# Altium PCB sumpower.PcbDoc (continued)
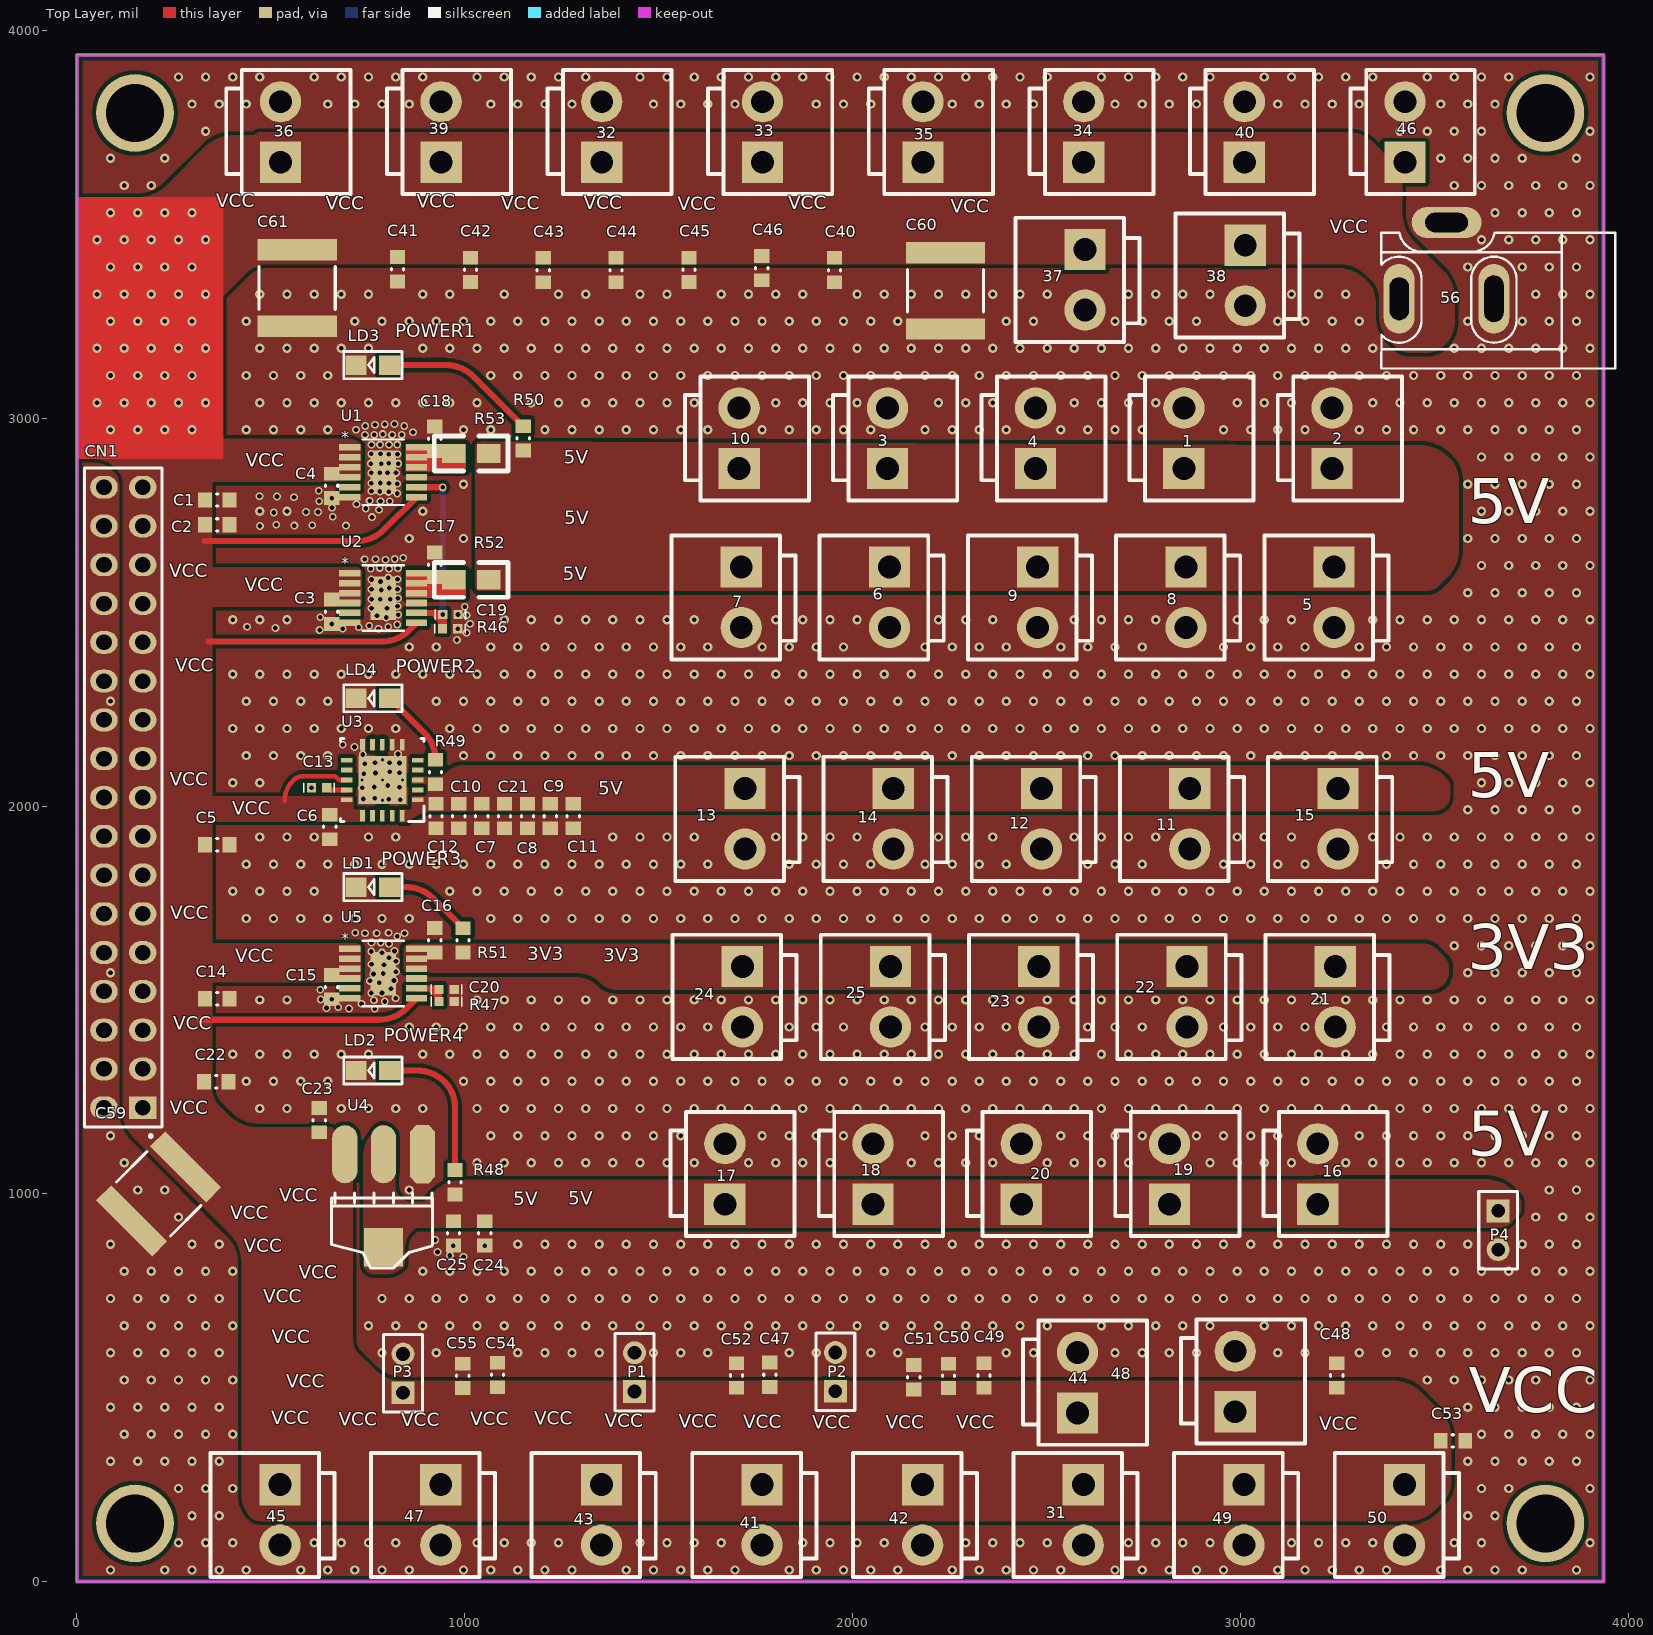
[diagram p0: Top Layer view]
## Nets (pads, with @x,y where several pads share a name; then routed paths per layer and width w, separated by ;. In a path a pad name is that pad's centre, name@x,y a point inside that pad or via, vN(x,y) a via of type N, cw(c..) or ccw(c..) an arc to the next point about the centre after c; other vN are vias at no path point)
3.3v: 21.1 22.1 23.1 24.1 25.1 C16.2 R51.1 U5.10 U5.11 U5.12
5v1: 1.1 2.1 3.1 4.1 5.1 6.1 7.1 8.1 9.1 10.1 R50.1 R52.1 R53.2
5v2: 11.1 12.1 13.1 14.1 15.1 C7.2 C8.2 C9.2 C10.2 C11.2 C12.2 C21.2 R49.1 U3.1 U3.3 U3.20
5v3: 16.1 17.1 18.1 19.1 20.1 C24.2 C25.2 P4.1 R48.1 U4.2 U4.4
GND: 1.2 2.2 3.2 4.2 5.2 6.2 7.2 8.2 9.2 10.2 11.2 12.2 13.2 14.2 15.2 16.2 17.2 18.2 19.2 20.2 21.2 22.2 23.2 24.2 25.2 31.2 32.2 33.2 34.2 35.2 36.2 37.2 38.2 39.2 40.2 41.2 42.2 43.2 44.2 45.2 46.2 47.2 48.2 49.2 50.2 56.2 56.3 C1.1 C2.1 C3.1 C4.1 C5.1 C6.1 C7.1 C8.1 C9.1 C10.1 C11.1 C12.1 C13.1 C14.1 C15.1 C16.1 C17.1 C18.1 C19.1 C20.1 C21.1 C22.1 C23.1 C24.1 C25.1 C40.2 C41.2 C42.2 C43.2 C44.2 C45.2 C46.2 C47.2 C48.2 C49.2 C50.2 C51.2 C52.2 C53.2 C54.2 C55.2 C59.2 C60.2 C61.2 CN1.2 CN1.4 CN1.6 CN1.8 CN1.10 CN1.12 CN1.14 CN1.16 CN1.18 CN1.20 CN1.22 CN1.24 CN1.26 CN1.28 CN1.30 CN1.32 CN1.34 LD1.2 LD2.2 LD3.2 LD4.2 P1.2 P2.2 P3.2 P4.2 R46.1 R47.1 U1.6 U1.9 U1.EPAD U2.6 U2.9 U2.EPAD U3.6 U3.7 U3.10 U3.21 U4.1 U5.6 U5.9 U5.EPAD
  other v1: 87.01,30 227.01,30 297.01,30 367.01,30 437.01,30 577.01,30 647.01,30 717.01,30 787.01,30 857.01,30 997.01,30 1067.01,30 1137.01,30 1207.01,30 1277.01,30 1417.01,30 1487.01,30 1557.01,30 1627.01,30 1697.01,30 1837.01,30 1907.01,30 1977.01,30 2047.01,30 2117.01,30 2257.01,30 2327.01,30 2397.01,30 2467.01,30 2537.01,30 2677.01,30 2747.01,30 2817.01,30 2887.01,30 2957.01,30 3097.01,30 3167.01,30 3237.01,30 3307.01,30 3377.01,30 3517.01,30 3587.01,30 3657.01,30 3727.01,30 3867.01,30 262.01,100 332.01,100 402.01,100 612.01,100 682.01,100 752.01,100 822.01,100 1032.01,100 1102.01,100 1172.01,100 1242.01,100 1452.01,100 1522.01,100 1592.01,100 1662.01,100 1872.01,100 1942.01,100 2012.01,100 2082.01,100 2292.01,100 2362.01,100 2432.01,100 2502.01,100 2712.01,100 2782.01,100 2852.01,100 2922.01,100 3132.01,100 3202.01,100 3272.01,100 3342.01,100 3552.01,100 3622.01,100 3902.01,100 297.01,170 367.01,170 3587.01,170 3657.01,170 262.01,240 332.01,240 402.01,240 3622.01,240 3692.01,240 3902.01,240 87.01,310 157.01,310 227.01,310 297.01,310 367.01,310 3587.01,310 3657.01,310 3727.01,310 3797.01,310 3867.01,310 122.01,380 192.01,380 262.01,380 332.01,380 402.01,380 3622.01,380 3692.01,380 3762.01,380 3832.01,380 3902.01,380 87.01,450 157.01,450 227.01,450 297.01,450 367.01,450 3587.01,450 3657.01,450 3727.01,450 3797.01,450 3867.01,450 122.01,520 192.01,520 262.01,520 332.01,520 402.01,520 3482.01,520 3552.01,520 3622.01,520 3692.01,520 3762.01,520 3832.01,520 3902.01,520 87.01,590 157.01,590 227.01,590 297.01,590 367.01,590 787.01,590 927.01,590 1137.01,590 1207.01,590 1277.01,590 1347.01,590 1487.01,590 1557.01,590 1627.01,590 1837.01,590 1907.01,590 2047.01,590 2117.01,590 2397.01,590 2467.01,590 2677.01,590 2747.01,590 2817.01,590 2887.01,590 3097.01,590 3167.01,590 3307.01,590 3377.01,590 3447.01,590 3517.01,590 3587.01,590 3657.01,590 3727.01,590 3797.01,590 3867.01,590 122.01,660 192.01,660 262.01,660 332.01,660 402.01,660 752.01,660 822.01,660 892.01,660 962.01,660 1032.01,660 1102.01,660 1172.01,660 1242.01,660 1312.01,660 1382.01,660 1452.01,660 1522.01,660 1592.01,660 1662.01,660 1732.01,660 1802.01,660 1872.01,660 1942.01,660 2012.01,660 2082.01,660 2152.01,660 2222.01,660 2292.01,660 2362.01,660 2432.01,660 2502.01,660 2642.01,660 2712.01,660 2782.01,660 2852.01,660 2922.01,660 3062.01,660 3132.01,660 3202.01,660 3272.01,660 3342.01,660 3412.01,660 3482.01,660 3552.01,660 3622.01,660 3692.01,660 3762.01,660 3832.01,660 3902.01,660 87.01,730 157.01,730 227.01,730 297.01,730 367.01,730 787.01,730 857.01,730 927.01,730 997.01,730 1067.01,730 1137.01,730 1207.01,730 1277.01,730 1347.01,730 1417.01,730 1487.01,730 1557.01,730 1627.01,730 1697.01,730 1767.01,730 1837.01,730 1907.01,730 1977.01,730 2047.01,730 2117.01,730 2187.01,730 2257.01,730 2327.01,730 2397.01,730 2467.01,730 2537.01,730 2607.01,730 2677.01,730 2747.01,730 2817.01,730 2887.01,730 2957.01,730 3027.01,730 3097.01,730 3167.01,730 3237.01,730 3307.01,730 3377.01,730 3447.01,730 3517.01,730 3587.01,730 3657.01,730 3727.01,730 3797.01,730 3867.01,730 122.01,800 192.01,800 262.01,800 332.01,800 402.01,800 892.01,800 962.01,800 1032.01,800 1102.01,800 1172.01,800 1242.01,800 1312.01,800 1382.01,800 1452.01,800 1522.01,800 1592.01,800 1662.01,800 1732.01,800 1802.01,800 1872.01,800 1942.01,800 2012.01,800 2082.01,800 2152.01,800 2222.01,800 2292.01,800 2362.01,800 2432.01,800 2502.01,800 2572.01,800 2642.01,800 2712.01,800 2782.01,800 2852.01,800 2922.01,800 2992.01,800 3062.01,800 3132.01,800 3202.01,800 3272.01,800 3342.01,800 3412.01,800 3482.01,800 3552.01,800 3622.01,800 3692.01,800 3762.01,800 3832.01,800 3902.01,800 87.01,870 297.01,870 367.01,870 1137.01,870 1207.01,870 1277.01,870 1347.01,870 1417.01,870 1487.01,870 1557.01,870 1627.01,870 1697.01,870 1767.01,870 1837.01,870 1907.01,870 1977.01,870 2047.01,870 2117.01,870 2187.01,870 2257.01,870 2327.01,870 2397.01,870 2467.01,870 2537.01,870 2607.01,870 2677.01,870 2747.01,870 2817.01,870 2887.01,870 2957.01,870 3027.01,870 3097.01,870 3167.01,870 3237.01,870 3307.01,870 3377.01,870 3447.01,870 3517.01,870 3587.01,870 3727.01,870 3797.01,870 3867.01,870 262.01,940 3762.01,940 3832.01,940 3902.01,940 157.01,1010 227.01,1010 857.01,1010 3797.01,1010 3867.01,1010 122.01,1080 1032.01,1080 1102.01,1080 1172.01,1080 1242.01,1080 1312.01,1080 1382.01,1080 1452.01,1080 1522.01,1080 1592.01,1080 1732.01,1080 1802.01,1080 1872.01,1080 1942.01,1080 2152.01,1080 2222.01,1080 2292.01,1080 2362.01,1080 2502.01,1080 2572.01,1080 2642.01,1080 2712.01,1080 2922.01,1080 2992.01,1080 3062.01,1080 3132.01,1080 3272.01,1080 3342.01,1080 3412.01,1080 3482.01,1080 3552.01,1080 3622.01,1080 3692.01,1080 3762.01,1080 3832.01,1080 3902.01,1080 87.01,1150 1067.01,1150 1137.01,1150 1207.01,1150 1277.01,1150 1347.01,1150 1417.01,1150 1487.01,1150 1557.01,1150 1767.01,1150 1837.01,1150 1907.01,1150 1977.01,1150 2187.01,1150 2257.01,1150 2327.01,1150 2537.01,1150 2607.01,1150 2677.01,1150 2747.01,1150 2887.01,1150 2957.01,1150 3027.01,1150 3097.01,1150 3307.01,1150 3377.01,1150 3447.01,1150 3517.01,1150 3587.01,1150 3657.01,1150 3727.01,1150 3797.01,1150 3867.01,1150 472.01,1220 542.01,1220 682.01,1220 752.01,1220 822.01,1220 892.01,1220 1032.01,1220 1102.01,1220 1172.01,1220 1242.01,1220 1312.01,1220 1382.01,1220 1452.01,1220 1522.01,1220 1592.01,1220 1662.01,1220 1732.01,1220 1802.01,1220 1872.01,1220 1942.01,1220 2012.01,1220 2082.01,1220 2152.01,1220 2222.01,1220 2292.01,1220 2362.01,1220 2432.01,1220 2502.01,1220 2572.01,1220 2642.01,1220 2712.01,1220 2782.01,1220 2852.01,1220 2922.01,1220 2992.01,1220 3062.01,1220 3132.01,1220 3202.01,1220 3272.01,1220 3342.01,1220 3412.01,1220 3482.01,1220 3552.01,1220 3622.01,1220 3692.01,1220 3762.01,1220 3832.01,1220 3902.01,1220 437.01,1290 507.01,1290 577.01,1290 647.01,1290 997.01,1290 1067.01,1290 1137.01,1290 1207.01,1290 1277.01,1290 1347.01,1290 1417.01,1290 1487.01,1290 1557.01,1290 1627.01,1290 1697.01,1290 1767.01,1290 1837.01,1290 1907.01,1290 1977.01,1290 2047.01,1290 2117.01,1290 2187.01,1290 2257.01,1290 2327.01,1290 2397.01,1290 2467.01,1290 2537.01,1290 2607.01,1290 2677.01,1290 2747.01,1290 2817.01,1290 2887.01,1290 2957.01,1290 3027.01,1290 3097.01,1290 3167.01,1290 3237.01,1290 3307.01,1290 3377.01,1290 3447.01,1290 3517.01,1290 3587.01,1290 3657.01,1290 3727.01,1290 3797.01,1290 3867.01,1290 402.01,1360 472.01,1360 542.01,1360 612.01,1360 682.01,1360 752.01,1360 892.01,1360 962.01,1360 1032.01,1360 1102.01,1360 1172.01,1360 1242.01,1360 1312.01,1360 1382.01,1360 1452.01,1360 1522.01,1360 1592.01,1360 1662.01,1360 1732.01,1360 1802.01,1360 1872.01,1360 1942.01,1360 2012.01,1360 2082.01,1360 2152.01,1360 2222.01,1360 2292.01,1360 2362.01,1360 2432.01,1360 2502.01,1360 2572.01,1360 2642.01,1360 2712.01,1360 2782.01,1360 2852.01,1360 2922.01,1360 2992.01,1360 3062.01,1360 3132.01,1360 3202.01,1360 3272.01,1360 3342.01,1360 3412.01,1360 3482.01,1360 3552.01,1360 3622.01,1360 3692.01,1360 3762.01,1360 3832.01,1360 3902.01,1360 857.01,1430 927.01,1430 997.01,1430 1067.01,1430 1137.01,1430 1207.01,1430 1277.01,1430 1347.01,1430 1417.01,1430 1487.01,1430 1557.01,1430 1627.01,1430 1837.01,1430 1907.01,1430 1977.01,1430 2187.01,1430 2257.01,1430 2327.01,1430 2397.01,1430 2607.01,1430 2677.01,1430 2747.01,1430 2957.01,1430 3027.01,1430 3097.01,1430 3167.01,1430 3377.01,1430 3447.01,1430 3517.01,1430 3587.01,1430 3657.01,1430 3727.01,1430 3797.01,1430 3867.01,1430 472.01,1500 542.01,1500 1032.01,1500 1102.01,1500 1172.01,1500 1242.01,1500 1312.01,1500 1382.01,1500 1452.01,1500 1522.01,1500 1592.01,1500 1662.01,1500 1732.01,1500 1802.01,1500 1872.01,1500 1942.01,1500 2012.01,1500 2082.01,1500 2152.01,1500 2222.01,1500 2292.01,1500 2362.01,1500 2432.01,1500 2502.01,1500 2572.01,1500 2642.01,1500 2712.01,1500 2782.01,1500 2852.01,1500 2922.01,1500 2992.01,1500 3062.01,1500 3132.01,1500 3202.01,1500 3272.01,1500 3342.01,1500 3412.01,1500 3482.01,1500 3552.01,1500 3622.01,1500 3692.01,1500 3762.01,1500 3832.01,1500 3902.01,1500 87.01,1570 3587.01,1570 3657.01,1570 3727.01,1570 3797.01,1570 3867.01,1570 3552.01,1640 3622.01,1640 3692.01,1640 3762.01,1640 3832.01,1640 3902.01,1640 437.01,1710 507.01,1710 577.01,1710 647.01,1710 717.01,1710 787.01,1710 857.01,1710 1067.01,1710 1137.01,1710 1207.01,1710 1277.01,1710 1347.01,1710 1417.01,1710 1487.01,1710 1557.01,1710 1627.01,1710 1697.01,1710 1767.01,1710 1837.01,1710 1907.01,1710 1977.01,1710 2047.01,1710 2117.01,1710 2187.01,1710 2257.01,1710 2327.01,1710 2397.01,1710 2467.01,1710 2537.01,1710 2607.01,1710 2677.01,1710 2747.01,1710 2817.01,1710 2887.01,1710 2957.01,1710 3027.01,1710 3097.01,1710 3167.01,1710 3237.01,1710 3307.01,1710 3377.01,1710 3447.01,1710 3517.01,1710 3587.01,1710 3657.01,1710 3727.01,1710 3797.01,1710 3867.01,1710 402.01,1780 472.01,1780 542.01,1780 612.01,1780 962.01,1780 1032.01,1780 1102.01,1780 1172.01,1780 1242.01,1780 1312.01,1780 1382.01,1780 1452.01,1780 1522.01,1780 1592.01,1780 1662.01,1780 1732.01,1780 1802.01,1780 1872.01,1780 1942.01,1780 2012.01,1780 2082.01,1780 2152.01,1780 2222.01,1780 2292.01,1780 2362.01,1780 2432.01,1780 2502.01,1780 2572.01,1780 2642.01,1780 2712.01,1780 2782.01,1780 2852.01,1780 2922.01,1780 2992.01,1780 3062.01,1780 3132.01,1780 3202.01,1780 3272.01,1780 3342.01,1780 3412.01,1780 3482.01,1780 3552.01,1780 3622.01,1780 3692.01,1780 3762.01,1780 3832.01,1780 3902.01,1780 437.01,1850 507.01,1850 577.01,1850 647.01,1850 717.01,1850 787.01,1850 857.01,1850 927.01,1850 997.01,1850 1067.01,1850 1137.01,1850 1207.01,1850 1277.01,1850 1347.01,1850 1417.01,1850 1487.01,1850 1557.01,1850 1627.01,1850 1837.01,1850 1907.01,1850 1977.01,1850 2047.01,1850 2187.01,1850 2257.01,1850 2327.01,1850 2397.01,1850 2607.01,1850 2677.01,1850 2747.01,1850 2957.01,1850 3027.01,1850 3097.01,1850 3167.01,1850 3377.01,1850 3447.01,1850 3517.01,1850 3587.01,1850 3657.01,1850 3727.01,1850 3797.01,1850 3867.01,1850 472.01,1920 542.01,1920 612.01,1920 752.01,1920 822.01,1920 1382.01,1920 1452.01,1920 1522.01,1920 1592.01,1920 1802.01,1920 1872.01,1920 1942.01,1920 2012.01,1920 2222.01,1920 2292.01,1920 2362.01,1920 2572.01,1920 2642.01,1920 2712.01,1920 2782.01,1920 2992.01,1920 3062.01,1920 3132.01,1920 3342.01,1920 3412.01,1920 3482.01,1920 3552.01,1920 3622.01,1920 3692.01,1920 3762.01,1920 3832.01,1920 3902.01,1920 3587.01,1990 3657.01,1990 3727.01,1990 3797.01,1990 3867.01,1990 402.01,2060 472.01,2060 3622.01,2060 3692.01,2060 3762.01,2060 3832.01,2060 3902.01,2060 437.01,2130 507.01,2130 577.01,2130 647.01,2130 997.01,2130 1067.01,2130 1137.01,2130 1207.01,2130 1277.01,2130 1347.01,2130 1417.01,2130 1487.01,2130 1557.01,2130 1627.01,2130 1697.01,2130 1767.01,2130 1837.01,2130 1907.01,2130 1977.01,2130 2047.01,2130 2117.01,2130 2187.01,2130 2257.01,2130 2327.01,2130 2397.01,2130 2467.01,2130 2537.01,2130 2607.01,2130 2677.01,2130 2747.01,2130 2817.01,2130 2887.01,2130 2957.01,2130 3027.01,2130 3097.01,2130 3167.01,2130 3237.01,2130 3307.01,2130 3377.01,2130 3447.01,2130 3517.01,2130 3587.01,2130 3657.01,2130 3727.01,2130 3797.01,2130 3867.01,2130 402.01,2200 472.01,2200 542.01,2200 612.01,2200 682.01,2200 752.01,2200 822.01,2200 962.01,2200 1032.01,2200 1102.01,2200 1172.01,2200 1242.01,2200 1312.01,2200 1382.01,2200 1452.01,2200 1522.01,2200 1592.01,2200 1662.01,2200 1732.01,2200 1802.01,2200 1872.01,2200 1942.01,2200 2012.01,2200 2082.01,2200 2152.01,2200 2222.01,2200 2292.01,2200 2362.01,2200 2432.01,2200 2502.01,2200 2572.01,2200 2642.01,2200 2712.01,2200 2782.01,2200 2852.01,2200 2922.01,2200 2992.01,2200 3062.01,2200 3132.01,2200 3202.01,2200 3272.01,2200 3342.01,2200 3412.01,2200 3482.01,2200 3552.01,2200 3622.01,2200 3692.01,2200 3762.01,2200 3832.01,2200 3902.01,2200 87.01,2270 437.01,2270 507.01,2270 577.01,2270 647.01,2270 927.01,2270 997.01,2270 1067.01,2270 1137.01,2270 1207.01,2270 1277.01,2270 1347.01,2270 1417.01,2270 1487.01,2270 1557.01,2270 1627.01,2270 1697.01,2270 1767.01,2270 1837.01,2270 1907.01,2270 1977.01,2270 2047.01,2270 2117.01,2270 2187.01,2270 2257.01,2270 2327.01,2270 2397.01,2270 2467.01,2270 2537.01,2270 2607.01,2270 2677.01,2270 2747.01,2270 2817.01,2270 2887.01,2270 2957.01,2270 3027.01,2270 3097.01,2270 3167.01,2270 3237.01,2270 3307.01,2270 3377.01,2270 3447.01,2270 3517.01,2270 3587.01,2270 3657.01,2270 3727.01,2270 3797.01,2270 3867.01,2270 402.01,2340 472.01,2340 542.01,2340 612.01,2340 682.01,2340 752.01,2340 822.01,2340 892.01,2340 962.01,2340 1032.01,2340 1102.01,2340 1172.01,2340 1242.01,2340 1312.01,2340 1382.01,2340 1452.01,2340 1522.01,2340 1592.01,2340 1662.01,2340 1732.01,2340 1802.01,2340 1872.01,2340 1942.01,2340 2012.01,2340 2082.01,2340 2152.01,2340 2222.01,2340 2292.01,2340 2362.01,2340 2432.01,2340 2502.01,2340 2572.01,2340 2642.01,2340 2712.01,2340 2782.01,2340 2852.01,2340 2922.01,2340 2992.01,2340 3062.01,2340 3132.01,2340 3202.01,2340 3272.01,2340 3342.01,2340 3412.01,2340 3482.01,2340 3552.01,2340 3622.01,2340 3692.01,2340 3762.01,2340 3832.01,2340 3902.01,2340 857.01,2410 927.01,2410 1067.01,2410 1137.01,2410 1207.01,2410 1277.01,2410 1347.01,2410 1417.01,2410 1487.01,2410 1557.01,2410 1627.01,2410 1767.01,2410 1837.01,2410 1907.01,2410 1977.01,2410 2187.01,2410 2257.01,2410 2327.01,2410 2397.01,2410 2537.01,2410 2607.01,2410 2677.01,2410 2747.01,2410 2957.01,2410 3027.01,2410 3097.01,2410 3167.01,2410 3307.01,2410 3377.01,2410 3447.01,2410 3517.01,2410 3587.01,2410 3657.01,2410 3727.01,2410 3797.01,2410 3867.01,2410 402.01,2480 472.01,2480 542.01,2480 1102.01,2480 1172.01,2480 1242.01,2480 1312.01,2480 1382.01,2480 1452.01,2480 1522.01,2480 1592.01,2480 1802.01,2480 1872.01,2480 1942.01,2480 2012.01,2480 2222.01,2480 2292.01,2480 2362.01,2480 2572.01,2480 2642.01,2480 2712.01,2480 2782.01,2480 2992.01,2480 3062.01,2480 3132.01,2480 3342.01,2480 3412.01,2480 3482.01,2480 3552.01,2480 3622.01,2480 3692.01,2480 3762.01,2480 3832.01,2480 3902.01,2480 3587.01,2550 3657.01,2550 3727.01,2550 3797.01,2550 3867.01,2550 3622.01,2620 3692.01,2620 3762.01,2620 3832.01,2620 3902.01,2620 857.01,2690 997.01,2690 3587.01,2690 3657.01,2690 3727.01,2690 3797.01,2690 3867.01,2690 472.01,2760 542.01,2760 892.01,2760 3622.01,2760 3692.01,2760 3762.01,2760 3832.01,2760 3902.01,2760 997.01,2830 3587.01,2830 3657.01,2830 3727.01,2830 3797.01,2830 3867.01,2830 3622.01,2900 3692.01,2900 3762.01,2900 3832.01,2900 3902.01,2900 437.01,2970 507.01,2970 577.01,2970 647.01,2970 997.01,2970 1067.01,2970 1207.01,2970 1277.01,2970 1347.01,2970 1417.01,2970 1487.01,2970 1557.01,2970 1627.01,2970 1767.01,2970 1837.01,2970 1907.01,2970 1977.01,2970 2047.01,2970 2187.01,2970 2257.01,2970 2327.01,2970 2397.01,2970 2537.01,2970 2607.01,2970 2677.01,2970 2747.01,2970 2957.01,2970 3027.01,2970 3097.01,2970 3167.01,2970 3307.01,2970 3377.01,2970 3447.01,2970 3517.01,2970 3587.01,2970 3657.01,2970 3727.01,2970 3797.01,2970 3867.01,2970 472.01,3040 542.01,3040 612.01,3040 682.01,3040 752.01,3040 822.01,3040 892.01,3040 962.01,3040 1032.01,3040 1172.01,3040 1242.01,3040 1312.01,3040 1382.01,3040 1452.01,3040 1522.01,3040 1592.01,3040 1802.01,3040 1872.01,3040 1942.01,3040 2012.01,3040 2222.01,3040 2292.01,3040 2362.01,3040 2572.01,3040 2642.01,3040 2712.01,3040 2782.01,3040 2992.01,3040 3062.01,3040 3132.01,3040 3342.01,3040 3412.01,3040 3482.01,3040 3552.01,3040 3622.01,3040 3692.01,3040 3762.01,3040 3832.01,3040 3902.01,3040 437.01,3110 507.01,3110 577.01,3110 647.01,3110 1067.01,3110 1137.01,3110 1207.01,3110 1277.01,3110 1347.01,3110 1417.01,3110 1487.01,3110 1557.01,3110 1627.01,3110 1697.01,3110 1767.01,3110 1837.01,3110 1907.01,3110 1977.01,3110 2047.01,3110 2117.01,3110 2187.01,3110 2257.01,3110 2327.01,3110 2397.01,3110 2467.01,3110 2537.01,3110 2607.01,3110 2677.01,3110 2747.01,3110 2817.01,3110 2887.01,3110 2957.01,3110 3027.01,3110 3097.01,3110 3167.01,3110 3237.01,3110 3307.01,3110 3377.01,3110 3447.01,3110 3517.01,3110 3587.01,3110 3657.01,3110 3727.01,3110 3797.01,3110 3867.01,3110 472.01,3180 542.01,3180 612.01,3180 682.01,3180 752.01,3180 892.01,3180 962.01,3180 1032.01,3180 1102.01,3180 1172.01,3180 1242.01,3180 1312.01,3180 1382.01,3180 1452.01,3180 1522.01,3180 1592.01,3180 1662.01,3180 1732.01,3180 1802.01,3180 1872.01,3180 1942.01,3180 2012.01,3180 2082.01,3180 2152.01,3180 2222.01,3180 2292.01,3180 2362.01,3180 2432.01,3180 2502.01,3180 2572.01,3180 2642.01,3180 2712.01,3180 2782.01,3180 2852.01,3180 2922.01,3180 2992.01,3180 3062.01,3180 3132.01,3180 3202.01,3180 3272.01,3180 3342.01,3180 3552.01,3180 3622.01,3180 3692.01,3180 3762.01,3180 3832.01,3180 3902.01,3180 437.01,3250 717.01,3250 787.01,3250 857.01,3250 927.01,3250 997.01,3250 1067.01,3250 1137.01,3250 1207.01,3250 1277.01,3250 1347.01,3250 1417.01,3250 1487.01,3250 1557.01,3250 1627.01,3250 1697.01,3250 1767.01,3250 1837.01,3250 1907.01,3250 1977.01,3250 2047.01,3250 2117.01,3250 2397.01,3250 2467.01,3250 2677.01,3250 2747.01,3250 2817.01,3250 2887.01,3250 3097.01,3250 3167.01,3250 3237.01,3250 3307.01,3250 3587.01,3250 3727.01,3250 3797.01,3250 3867.01,3250 472.01,3320 542.01,3320 612.01,3320 682.01,3320 752.01,3320 892.01,3320 962.01,3320 1102.01,3320 1242.01,3320 1312.01,3320 1452.01,3320 1522.01,3320 1662.01,3320 1732.01,3320 1802.01,3320 1872.01,3320 2012.01,3320 2082.01,3320 2152.01,3320 2222.01,3320 2292.01,3320 2362.01,3320 2432.01,3320 2502.01,3320 2712.01,3320 2782.01,3320 2852.01,3320 2922.01,3320 3132.01,3320 3202.01,3320 3272.01,3320 3762.01,3320 3832.01,3320 3902.01,3320 3587.01,3390 3727.01,3390 3797.01,3390 3867.01,3390 3622.01,3460 3692.01,3460 3762.01,3460 3832.01,3460 3902.01,3460 3657.01,3530 3727.01,3530 3797.01,3530 3867.01,3530 122.01,3600 192.01,3600 3552.01,3600 3622.01,3600 3692.01,3600 3762.01,3600 3832.01,3600 3902.01,3600 87.01,3670 227.01,3670 3517.01,3670 3587.01,3670 3657.01,3670 3727.01,3670 3867.01,3670 332.01,3740 3412.01,3740 3482.01,3740 3552.01,3740 3622.01,3740 3902.01,3740 297.01,3810 367.01,3810 437.01,3810 647.01,3810 717.01,3810 787.01,3810 857.01,3810 1067.01,3810 1137.01,3810 1207.01,3810 1277.01,3810 1487.01,3810 1557.01,3810 1627.01,3810 1697.01,3810 1907.01,3810 1977.01,3810 2047.01,3810 2257.01,3810 2327.01,3810 2397.01,3810 2467.01,3810 2677.01,3810 2747.01,3810 2817.01,3810 2887.01,3810 3097.01,3810 3167.01,3810 3237.01,3810 3307.01,3810 3517.01,3810 3587.01,3810 3657.01,3810 262.01,3880 332.01,3880 402.01,3880 472.01,3880 612.01,3880 682.01,3880 752.01,3880 822.01,3880 892.01,3880 1032.01,3880 1102.01,3880 1172.01,3880 1242.01,3880 1312.01,3880 1452.01,3880 1522.01,3880 1592.01,3880 1662.01,3880 1732.01,3880 1802.01,3880 1872.01,3880 1942.01,3880 2012.01,3880 2082.01,3880 2152.01,3880 2222.01,3880 2292.01,3880 2362.01,3880 2432.01,3880 2502.01,3880 2642.01,3880 2712.01,3880 2782.01,3880 2852.01,3880 2922.01,3880 3062.01,3880 3132.01,3880 3202.01,3880 3272.01,3880 3342.01,3880 3482.01,3880 3552.01,3880 3622.01,3880 3692.01,3880 3902.01,3880
  other v2: 997,838 962,841 930,850 971,866.5 1052,866.5 924,881 768,1477 702,1478 644,1479 674,1481 734,1490 794,1496 766,1499 629,1501 657,1501.5 822,1504 759,1518 787,1518 628,1526 810,1529 780,1544 756,1549 818,1550 765,1567 789.98,1568 823,1573 792,1591 760,1592 823,1600 805,1609 787,1622 759,1625 819,1626 805,1645 760,1648 784,1648 826,1664 743,1672 773,1672 845,1672 718,1673 804,1673 834,2016 804,2017 739,2018 768.53,2019.92 605,2047 735.58,2046.77 832.17,2048.31 767,2049 802.05,2052.69 740,2083 770,2085 832.17,2085.69 807,2088 742,2109 769.06,2111.42 806.44,2111.42 832,2111 737,2133 828,2134 716,2152 686,2158 980,2428 1005,2447 626,2454 686,2457 778,2457 982.37,2457 512,2459 727,2461 439,2462 803,2462 754,2465 826,2468 657,2469.5 1014,2470 798,2486 628,2487 774,2491 1005,2492 829,2493 982.74,2494 760,2510 800,2510 1000,2514 827,2515 760,2533 782,2533 808,2533 828,2536 785,2557 760,2559 827,2559 806,2562 783,2579 760,2584 827,2585 803,2589 758,2612 805,2612 828,2613 781,2614 796,2635 742,2636 770,2636 820,2637 842,2640 472,2722 561,2723 694,2723 607,2724 514,2725 761,2745 660,2746 508,2757 591,2758 622,2758 779,2764 745,2767 658,2769 721,2778 625,2786 783,2786 807,2786 755,2787 657,2794.01 560,2796 516,2798 471,2799 826,2806 804,2810 781,2811 760,2812 624,2813 826,2831 759,2832 805,2832 782,2833 759,2859 781,2859 801,2859 823,2859 758,2883 785,2883 829,2883 804,2884 804,2907 827,2907 759,2908 783,2908 760,2932 782,2932 805,2932 826,2932 743,2957 767,2957 813,2957 838,2957 789,2959 867,2964 720,2970 744,2980 844,2980 769,2983 794,2984 819,2985
NetC13_2: C13.2 U3.14 | length 53.3
  Top Layer w12: C13.2 ccw(c657.87,2060.5) 657.87,2041.41 U3.14
NetC17_2: C17.2 R52.2 U2.10 U2.11 U2.12
NetC18_2: C18.2 R53.1 U1.10 U1.11 U1.12
NetC19_2: C19.2 R46.2 U1.8 U2.8 | length 487.2
  Top Layer w16: U2.8 919,2497.82 931.11,2485.71 cw(c902.4,2457) R46.2 ; U1.8 933.8,2822.2 ccw(c935.18,2823.59) 935.18,2821.63 v2(943.37,2821.63)
  Bottom Layer w16: v2(943.37,2494) v2(943.37,2821.63)
NetC20_2: C20.2 R47.2 U5.8 | length 130.5
  Top Layer w16: U5.8 913.22,1529.61 ; 913.22,1529.61 ccw(c919.39,1530.92) 914.93,1526.46 925.95,1515.44 cw(c906.51,1496) R47.2 C20.2 ccw(c927.69,1520.69) 927.69,1529.61 913.22,1529.61
NetLD1_1: LD1.1 R51.2 | length 187
  Top Layer w16: 848.58,1791 cw(c848.58,1691) 919.29,1761.71 R51.2
NetLD2_1: LD2.1 R48.2 | length 383.5
  Top Layer w16: LD2.1 877.58,1318 cw(c877.58,1218) 948.29,1288.71 cw(c883.8,1224.23) 975,1224.23 R48.2
NetLD3_1: LD3.1 R50.2 | length 404.9
  Top Layer w16: LD3.1 952.07,3137 cw(c952.07,3037) 1022.79,3107.71 R50.2
NetLD4_1: LD4.1 R49.2 | length 203.6
  Top Layer w16: LD4.1 896,2189.01 cw(c825.98,2118.99) R49.2
VCC: 31.1 32.1 33.1 34.1 35.1 36.1 37.1 38.1 39.1 40.1 41.1 42.1 43.1 44.1 45.1 46.1 47.1 48.1 49.1 50.1 56.1 C1.2 C2.2 C3.2 C4.2 C5.2 C6.2 C14.2 C15.2 C22.2 C23.2 C40.1 C41.1 C42.1 C43.1 C44.1 C45.1 C46.1 C47.1 C48.1 C49.1 C50.1 C51.1 C52.1 C53.1 C54.1 C55.1 C59.1 C60.1 C61.1 CN1.1 CN1.3 CN1.5 CN1.7 CN1.9 CN1.11 CN1.13 CN1.15 CN1.17 CN1.19 CN1.21 CN1.23 CN1.25 CN1.27 CN1.29 CN1.31 CN1.33 P1.1 P2.1 P3.1 U1.1 U1.2 U1.3 U1.4 U1.7 U2.1 U2.2 U2.3 U2.4 U2.7 U3.13 U3.15 U3.16 U4.3 U5.1 U5.2 U5.3 U5.4 U5.7 | length 1921.5
  Top Layer w12: 536,2012.89 cw(c611.11,2012.89) 558,2066 cw(c584.56,2039.44) 584.56,2077 661,2077 cw(c661,2064.93) 669.54,2073.46 675,2068 ccw(c677.41,2070.41) 677.41,2067 U3.13
  Top Layer w16: 317,1449 779.56,1449 ccw(c779.56,1549) 850.27,1478.29 U5.7 ; 330,2683 720.96,2683 ccw(c720.96,2783) 791.68,2712.29 U1.7 ; 340,2424 786.35,2424 ccw(c786.35,2524) 857.06,2453.29 U2.7
  other v1: 87.01,2970 157.01,2970 227.01,2970 297.01,2970 52.01,3040 122.01,3040 192.01,3040 262.01,3040 332.01,3040 87.01,3110 157.01,3110 227.01,3110 297.01,3110 52.01,3180 122.01,3180 192.01,3180 262.01,3180 332.01,3180 87.01,3250 157.01,3250 227.01,3250 297.01,3250 52.01,3320 122.01,3320 192.01,3320 262.01,3320 332.01,3320 87.01,3390 157.01,3390 227.01,3390 297.01,3390 52.01,3460 122.01,3460 192.01,3460 262.01,3460 332.01,3460 87.01,3530 157.01,3530 227.01,3530 297.01,3530
pads on no net: U1.5 U2.5 U3.2 U3.4 U3.5 U3.8 U3.9 U3.11 U3.12 U3.17 U3.18 U3.19 U3.V U5.5

## Polygon pours and split planes (outlines as drawn)
3.3v on Top Layer "Top Layer-No Net" (solid, pour order 40): 3285,1645 3473.62,1645 cw(c3473.62,1600.62) 3505,1632 3528.1,1608.9 cw(c3504.2,1585) 3538,1585 3538,1572.8 cw(c3490.2,1572.8) 3524,1539 cw(c3492.62,1570.38) 3492.62,1526 3289,1526
5v3 on Top Layer "Top Layer-No Net" (solid, pour order 38): 3193,1038 3472.23,1038 cw(c3472.23,949.23) 3535,1012 cw(c3515.69,992.69) 3543,992.69 3543,954.31 cw(c3515.69,954.31) 3535,935 cw(c3479.47,990.53) 3479.47,912 3173.07,912 cw(c3173.07,929.07) 3161,917
5v2 on Top Layer "Top Layer-No Net" (solid, pour order 34): 3303.95,2105 3456.58,2105 cw(c3456.58,2005) 3527.29,2075.71 3535.34,2067.66 cw(c3521.69,2054) 3541,2054 3541,2026.97 cw(c3500.03,2026.97) 3529,1998 cw(c3502.44,2024.56) 3502.44,1987 3274,1987
5v1 on Top Layer "Top Layer-No Net" (solid, pour order 32): 3267,2930 3464.58,2930 cw(c3464.58,2830) 3535.29,2900.71 3541,2895 cw(c3487.89,2841.89) 3563,2841.89 3563,2660.42 cw(c3463,2660.42) 3533.71,2589.71 3511,2567 cw(c3482.03,2595.97) 3482.03,2555 3290.53,2555
5v3 on Top Layer "Top Layer-No Net" (solid, pour order 26): 781,1177 768.29,1164.29 ccw(c839,1093.58) 739,1093.58 739,820.31 ccw(c766.31,820.31) 747,801 ccw(c768.73,822.73) 768.73,792 796.13,792 ccw(c796.13,856.87) 842,811 ccw(c832.34,820.66) 846,820.66 846,862 cw(c901.53,862) 862.26,901.26 867,906 cw(c881.49,891.51) 881.49,912 3240.27,912 ccw(c3240.27,942.73) 3262,921 ccw(c3254.76,928.24) 3265,928.24 3265,1017.59 ccw(c3261.59,1017.59) 3264,1020 3262.14,1021.86 ccw(c3228,987.72) 3228,1036 993.42,1036 ccw(c993.42,936) 922.71,1006.71 903,987 cw(c883.69,1006.31) 883.69,979 862,979 cw(c862,1015.21) 836.39,989.61 832,994 cw(c858.56,1020.56) 821,1020.56 821,1135.2 ccw(c773.2,1135.2) 807,1169 803.66,1172.34 ccw(c790,1158.69) 790,1178
3.3v on Top Layer "Top Layer-No Net" (solid, pour order 24): 861.9,1645 ccw(c861.9,1621.1) 845,1638 ccw(c849.83,1633.17) 843,1633.17 843,1581.66 ccw(c856.66,1581.66) 847,1572 ccw(c851.83,1576.83) 851.83,1570 1285.82,1570 cw(c1285.82,1477.82) 1351,1543 ccw(c1392.04,1584.04) 1392.04,1526 3292.76,1526 ccw(c3292.76,1536.24) 3300,1529 ccw(c3292.76,1536.24) 3303,1536.24 3303,1632.34 ccw(c3289.34,1632.34) 3299,1642 ccw(c3291.76,1634.76) 3291.76,1645
5v2 on Top Layer "Top Layer-No Net" (solid, pour order 22): 865,2074 864.71,2073.71 ccw(c866.41,2072) 864,2072 864,1996.83 cw(c857.17,1996.83) 862,1992 cw(c859.59,1994.41) 859.59,1991 834.41,1991 ccw(c834.41,1987.59) 832,1990 ccw(c834.41,1987.59) 831,1987.59 831,1961 ccw(c833.41,1961) 831.71,1959.29 832.29,1958.71 ccw(c834,1960.41) 834,1958 850.76,1958 ccw(c850.76,1968.24) 858,1961 cw(c920.77,1898.23) 920.77,1987 3303.76,1987 ccw(c3303.76,1997.24) 3311,1990 ccw(c3303.76,1997.24) 3314,1997.24 3314,2093.76 ccw(c3303.76,2093.76) 3311,2101 3309.83,2102.17 ccw(c3303,2095.34) 3303,2105 994.21,2105 ccw(c994.21,2053.79) 958,2090 cw(c921.79,2126.21) 921.79,2075 867.41,2075 ccw(c867.41,2071.59)
5v1 on Top Layer "Top Layer-No Net" (solid, pour order 18): 1056,2940 1044.49,2940 ccw(c1044.48,2919.52) 1030,2934 ccw(c1034.83,2929.17) 1028,2929.17 1028,2564.24 ccw(c1038.24,2564.24) 1031,2557 ccw(c1035.83,2561.83) 1035.83,2555 3288.51,2555 ccw(c3288.51,2575.49) 3303,2561 ccw(c3298.17,2565.83) 3305,2565.83 3305,2900.86 ccw(c3270.86,2900.86) 3295,2925 ccw(c3282.93,2912.93) 3282.93,2930 3267,2930
VCC on Top Layer "Top Layer-No Net" (solid, pour order 14): 319,1646 719.93,1646 cw(c719.93,1628.93) 732,1641 cw(c729.59,1638.59) 733,1638.59 733,1549.41 cw(c729.59,1549.41) 732,1547 cw(c729.59,1549.41) 729.59,1546 335.42,1546 cw(c335.42,1646) 264.71,1575.29 258,1582
VCC on Top Layer "Top Layer-No Net" (solid, pour order 12): 323,2025 704.76,2025 cw(c704.76,2014.76) 712,2022 cw(c709.59,2019.59) 713,2019.59 713,1994.41 ccw(c716.41,1994.41) 714,1992 714.29,1991.71 ccw(c716,1993.41) 716,1991 740.59,1991 cw(c740.59,1987.59) 743,1990 cw(c740.59,1987.59) 744,1987.59 744,1961 743.71,1960.71 cw(c742,1962.41) 742,1960 319.41,1960 ccw(c319.41,1956.59) 317,1959
VCC on Top Layer "Top Layer-No Net" (solid, pour order 6): 320,2616 720.34,2616 cw(c720.34,2602.34) 730,2612 cw(c717.93,2599.93) 735,2599.93 735,2519.41 cw(c731.59,2519.41) 734,2517 731.71,2514.71 cw(c730,2516.41) 730,2514 271.73,2514 cw(c271.73,2544.73) 250,2523
VCC on Top Layer "Top Layer-No Net" (solid, pour order 2): 366,2947 699.62,2947 cw(c699.62,2902.62) 731,2934 733.29,2931.71 cw(c731.59,2930) 734,2930 734,2843.83 cw(c727.17,2843.83) 732,2839 731.12,2838.12 cw(c726,2843.24) 726,2836 327.21,2836 cw(c327.21,2887.21) 291,2851
VCC on Top Layer "Top Layer-No Net" (solid, pour order 0): 402.42,3730 ccw(c402.42,3630) 331.71,3700.71 230.29,3599.29 cw(c159.58,3670) 159.58,3570 46,3570 46,2895 cw(c46,2822.57) 97.21,2873.79 105,2866 cw(c71.2,2832.2) 119,2832.2 119,1213.42 ccw(c219,1213.42) 148.29,1142.71 395.71,895.29 cw(c325,824.58) 425,824.58 425,223.94 ccw(c506.94,223.94) 449,166 ccw(c473.14,190.14) 473.14,156 3431.58,156 ccw(c3431.58,256) 3502.29,185.29 3522,205 ccw(c3468.89,258.11) 3544,258.11 3544,369.58 ccw(c3444,369.58) 3514.71,440.29 3466.29,488.71 ccw(c3395.58,418) 3395.58,518 838.42,518 cw(c838.42,618) 767.71,547.29 725,590 cw(c756.38,621.38) 712,621.38 712,1075.58 ccw(c612,1075.58) 682.71,1146.29 659,1170 ccw(c656.59,1167.59) 656.59,1171 465.42,1171 cw(c465.42,1271) 394.71,1200.29 365,1230 cw(c403.63,1268.63) 349,1268.63 349,3244.58 cw(c449,3244.58) 378.29,3315.29 438,3375 cw(c491.11,3321.89) 491.11,3397 3255.58,3397 cw(c3255.58,3297) 3326.29,3367.71 3337,3357 cw(c3283.89,3303.89) 3359,3303.89 3359,3266.42 ccw(c3459,3266.42) 3388.29,3195.71 3399,3185 ccw(c3437.63,3223.63) 3437.63,3169 3481.13,3169 ccw(c3481.13,3233.87) 3527,3188 ccw(c3464.23,3250.77) 3553,3250.77 3553,3309.58 ccw(c3453,3309.58) 3523.71,3380.29 3447.29,3456.71 cw(c3518,3527.42) 3418,3527.42 3418,3594.58 ccw(c3318,3594.58) 3388.71,3665.29 3345,3709 ccw(c3274.99,3638.99) 3274.99,3738 472.66,3738 ccw(c472.66,3724.34) 463,3734 cw(c453.34,3743.66) 453.34,3730
5v3 on Top Layer "Top Layer-No Net" (solid, pour order 44): 3458,1038 3631.58,1038 cw(c3631.58,938) 3702.29,1008.71 3717,994 cw(c3700.1,977.1) 3724,977.1 3724,960 cw(c3702.27,960) 3717.64,944.64 3696,923 cw(c3669.44,949.56) 3669.44,912 3457,912
GND on Top Layer "Top Layer-No Net" (solid, pour order 46): 0,3937.01 3936.99,3937.01 3937.01,3936.99 3937.01,0 0,0
GND on Bottom Layer "Top Layer-No Net" (solid, pour order 48): 0,3937.01 3937.01,3937.01 3937.01,0 0,0

## Keep-outs
Keep-Out Layer:
  the board outline again, w10

## Other copper
Top Layer:
  rectangle net VCC: 0,2895 377,3570
  rectangle net NetC17_2: 848,2537 1003,2609
  rectangle net NetC18_2: 848,2862 1003,2934
  rectangle net NetC19_2: 901,2494 943.37,2506
  rectangle net NetC19_2: 931,2468 955,2506
Bottom Layer:
  rectangle net VCC: 3,2895 380,3570

## Silkscreen, mask and mechanical layers (free items; w line width, h text height)
Top Overlay:
  text "VCC" at 360,3533 h60
  text "VCC" at 876,3531 h60
  text "VCC" at 1307,3527 h60
  text "VCC" at 1834,3527 h60
  text "VCC" at 642,3526 h60
  text "VCC" at 1094,3526 h60
  text "VCC" at 1549,3524 h60
  text "VCC" at 2254,3518 h60
  text "VCC" at 3231,3465 h60
  text "POWER1" at 821,3197 h60
  text "5V" at 1255,2871 h60
  text "VCC" at 435,2863 h60
  text "5V" at 1257,2715 h60
  text "5V" at 3587.19,2691 h200
  text "VCC" at 238,2578 h60
  text "5V" at 1253,2571 h60
  text "POWER1" at -1107,2558 h60
  text "VCC" at 433,2542 h60
  text "VCC" at 254,2334 h60
  text "POWER2" at 822,2332 h60
  text "VCC" at 240,2041 h60
  text "5V" at 1345,2017 h60
  text "5V" at 3587.19,1984 h200
  text "POWER1" at -1184,1973 h60
  text "VCC" at 401,1966 h60
  text "POWER1" at -1119,1861 h60
  text "POWER3" at 785,1836 h60
  text "POWER1" at -1113,1731 h60
  text "VCC" at 241,1696 h60
  text "3V3" at 1161,1591 h60
  text "3V3" at 1357,1587 h60
  text "VCC" at 409,1585 h60
  text "POWER1" at -1125,1572 h60
  text "3V3" at 3587,1541 h200
  text "VCC" at 249,1412 h60
  text "POWER4" at 791,1380 h60
  text "VCC" at 240,1193 h60
  text "5V" at 3587.19,1060 h200
  text "VCC" at 522,968 h60
  text "5V" at 1267,960 h60
  text "5V" at 1126,959 h60
  text "VCC" at 396,923 h60
  text "VCC" at 431,838 h60
  text "VCC" at 572,770 h60
  text "VCC" at 481,707 h60
  text "VCC" at 502,603 h60
  text "VCC" at 540,488 h60
  text "VCC1" at -1296,422 h60
  text "VCC" at 3589,398 h200
  text "VCC" at 501,394 h60
  text "VCC" at 1180,393 h60
  text "VCC" at 1014,391 h60
  text "VCC" at 676,390 h60
  text "VCC" at 836,389 h60
  text "VCC" at 1361,387 h60
  text "VCC" at 1552,385 h60
  text "VCC" at 1719,384 h60
  text "VCC" at 1896,382 h60
  text "VCC" at 2086,382 h60
  text "VCC" at 2268,382 h60
  text "VCC" at 3204,379 h60
  text "POWER1" at -1136,310 h60
Top Solder:
  circle w60: c3401,449 r12.17
  circle w60: c3404,602 r12.17
  circle w60: c3459,1131 r12.17
  circle w60: c3459,1416 r12.17
  circle w60: c3459,1898 r12.17
  circle w60: c3459,2482 r12.17
  circle w60: c3459,2705 r12.17
  circle w60: c3459,2043 r12.17
  circle w60: c3459,975 r12.17
  circle w60: c3459,1589 r12.17
  rectangle: 15,266 414,831
  rectangle: -1,2893 376,3568
Bottom Solder:
  rectangle: 357,592 908,2740
  rectangle: 517,2852 1073,3317
  rectangle: 644,611 1280,2429
  rectangle: 662,2851 1276,3323
  rectangle: 978,594 1508,3342
  rectangle: 517,626 914,2852
  rectangle: 15,266 414,831
  rectangle: 0,2895 377,3570

## Text inside footprints (layer, text, board x,y; h text height)
U1: Top Overlay "*" at 681.45,2936.53 h30
U2: Top Overlay "*" at 681.45,2612.14 h30
U5: Top Overlay "*" at 681.45,1643.94 h30